# Altium PCB DIOT_PSU_integrated.PcbDoc (part 3 of 3)
Units mm, origin at the board's own origin, x right, y up, seen from the top; angles counter-clockwise.
Board outline 219.8 x 100 mm, 2 copper layers (Top Layer, Bottom Layer), stack 1.69 mm thick; 166 components, 95 nets, 513 pads, 1167 vias.
Unrouted connection lines stored in the file: 2.
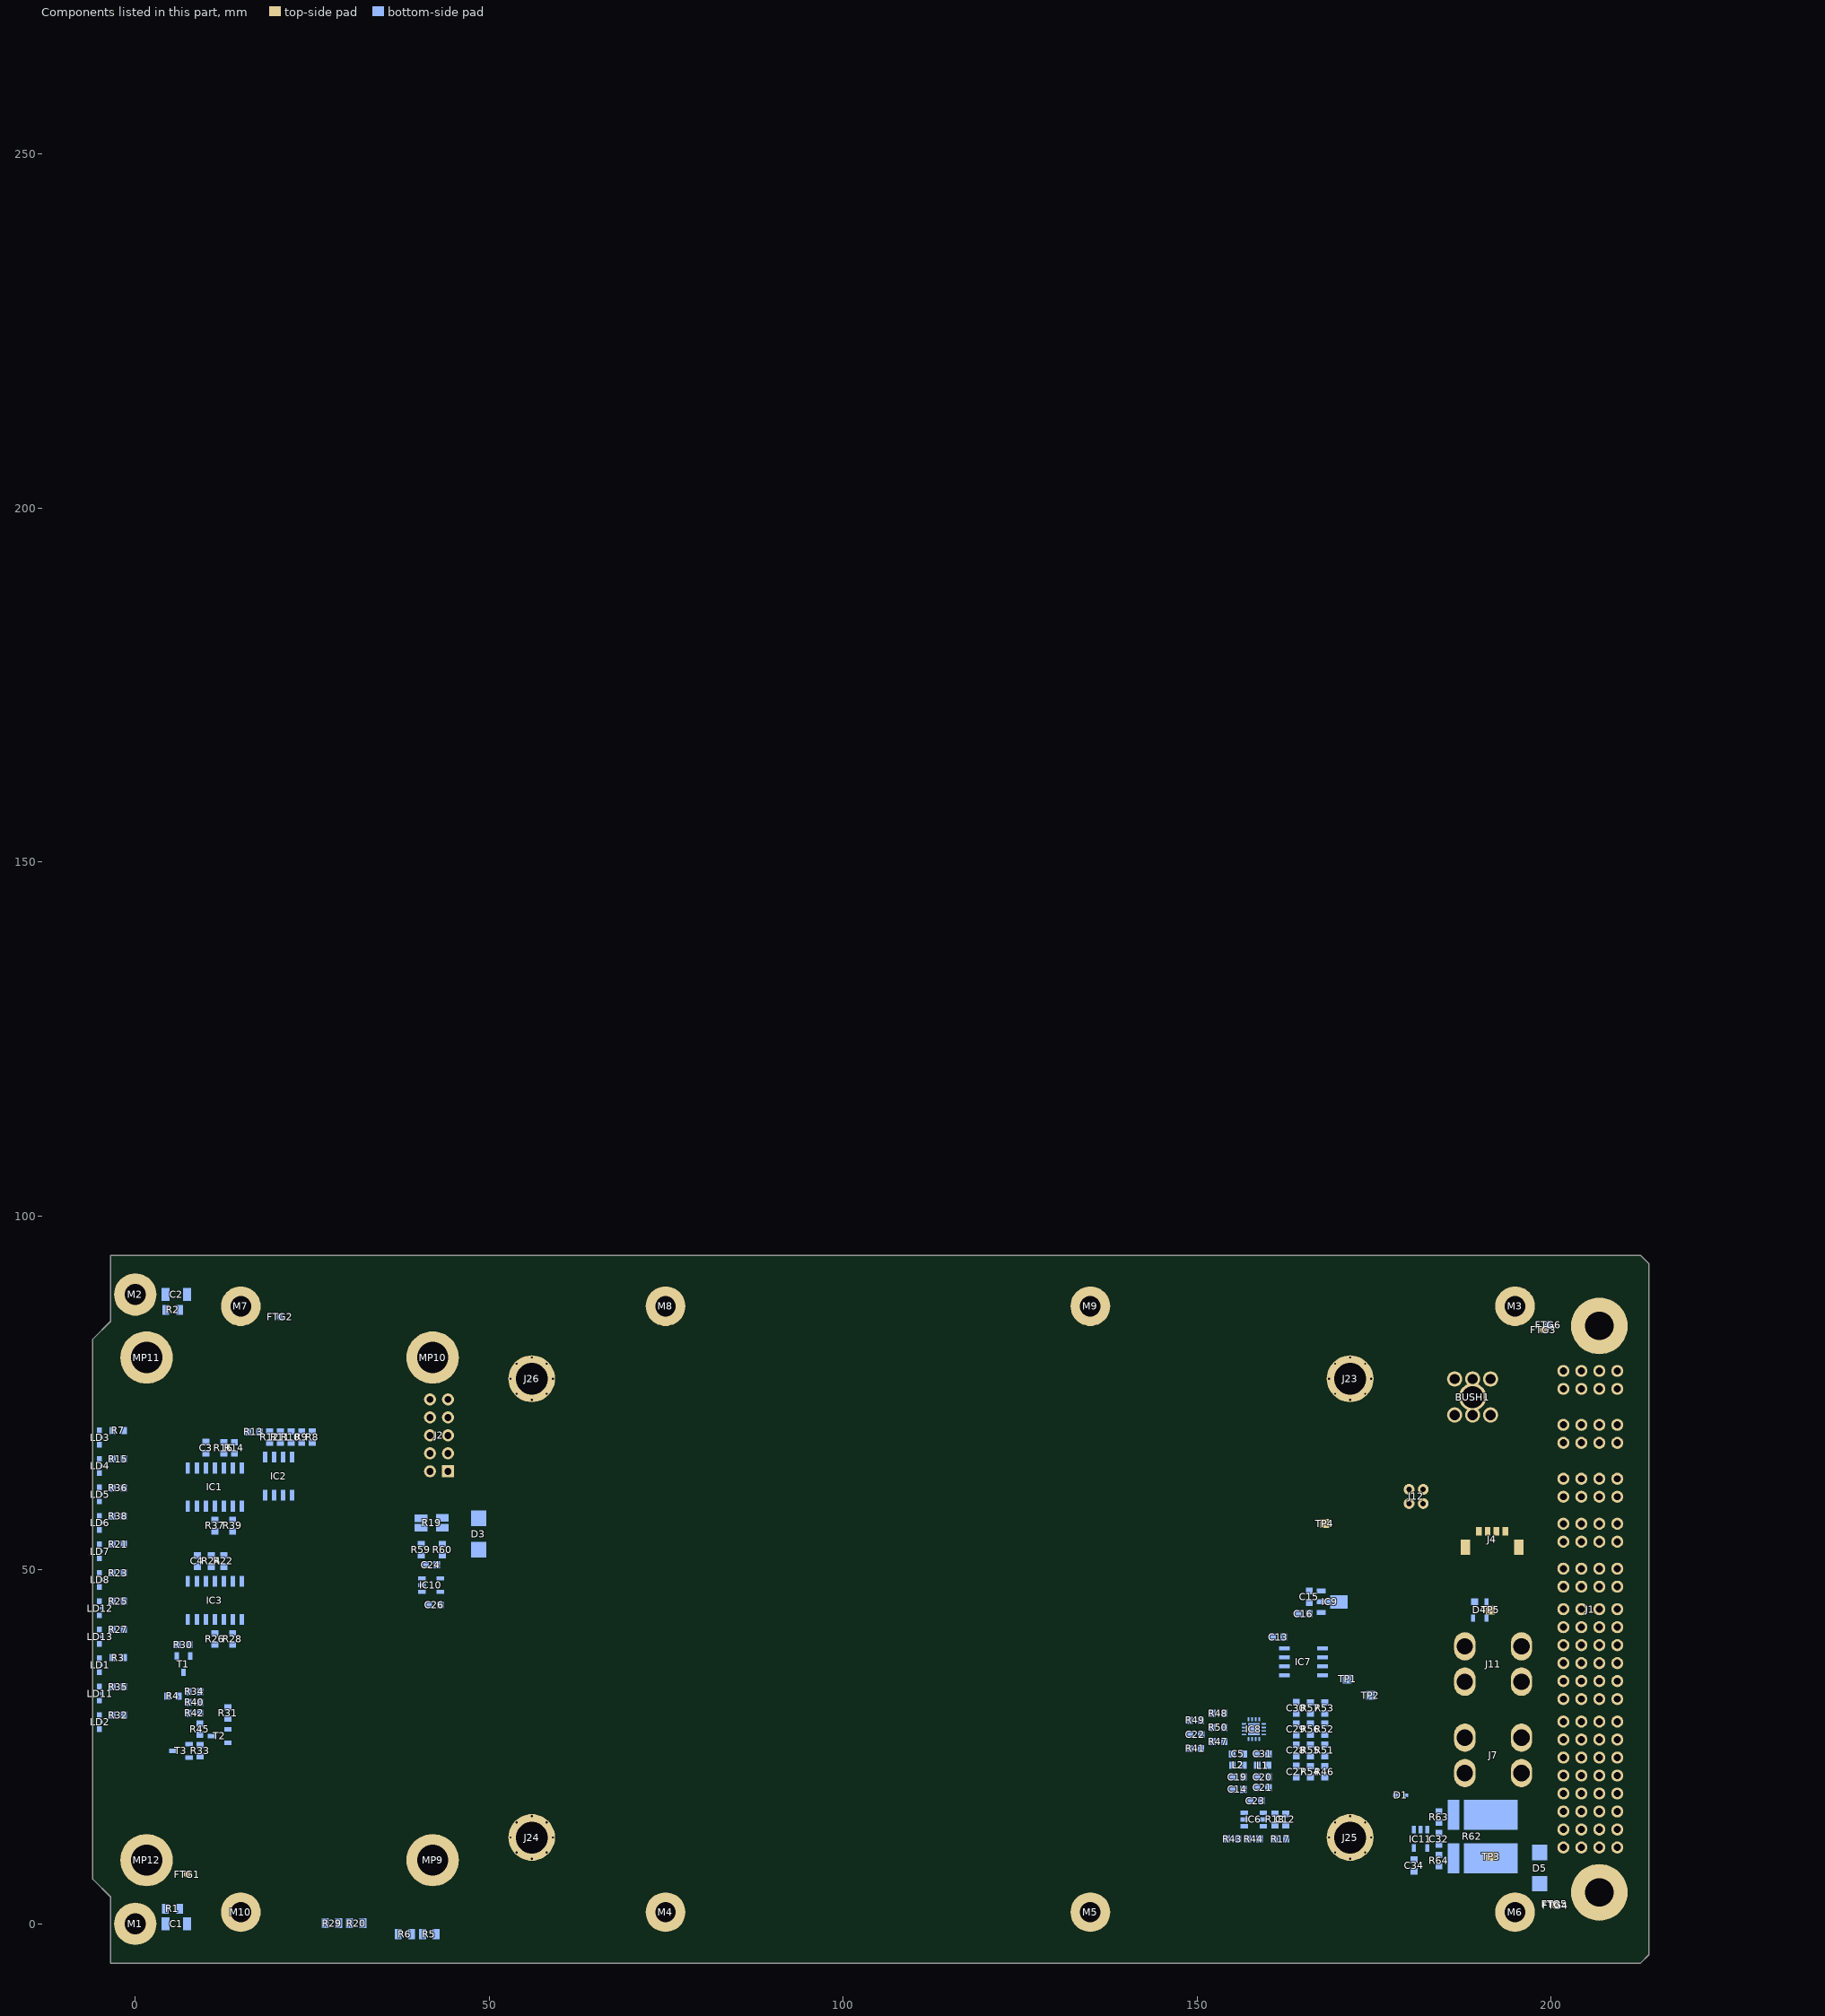
[diagram p3: the components of this part, seen from the top]

## Silkscreen, mask and mechanical layers (free items; w line width, h text height) (continued)
Drill Drawing:
  circle w0.254: c0.486,137.91 r0.508
  circle w0.254: c0.486,137.91 r0.847
  circle w0.254: c0.486,134.1 r0.847
  lines w0.254: -0.361,110.393 -0.361,110.817 0.063,111.24 -0.361,111.663 -0.361,112.087 0.063,112.087 0.486,111.663 0.909,112.087 1.333,112.087 1.333,111.663 0.909,111.24 1.333,110.817 1.333,110.393 0.909,110.393 0.486,110.817 0.063,110.393 -0.361,110.393 ; -0.361,114.627 0.063,114.627 0.486,114.203 0.909,114.627 1.333,114.627 0.909,115.05 1.333,115.473 0.909,115.473 0.486,115.897 0.063,115.473 -0.361,115.473 0.063,115.05 -0.361,114.627 ; -0.361,118.013 0.486,118.437 1.333,118.013 0.909,118.86 1.333,119.707 0.486,119.283 -0.361,119.707 0.063,118.86 -0.361,118.013 ; -0.361,123.517 1.333,123.517 0.486,121.823 -0.361,123.517 ; -0.361,126.057 0.063,126.057 0.063,125.633 0.909,125.633 0.909,126.057 1.333,126.057 1.333,126.903 0.909,126.903 0.909,127.327 0.063,127.327 0.063,126.903 -0.361,126.903 -0.361,126.057 ; -0.361,129.867 0.063,129.867 0.486,129.443 0.909,129.867 1.333,129.867 0.909,130.29 1.333,130.713 0.909,130.713 0.486,131.137 0.063,130.713 -0.361,130.713 0.063,130.29 -0.361,129.867 ; -0.361,142.567 1.333,142.567 0.486,140.873 -0.361,142.567 ; -0.361,144.683 1.333,144.683 1.333,146.377 -0.361,146.377 -0.361,144.683 ; -0.361,149.34 0.486,148.493 1.333,149.34 0.486,150.187 -0.361,149.34 ; -0.022,114.796 0.232,114.796 0.486,114.542 0.74,114.796 0.994,114.796 0.74,115.05 0.994,115.304 0.74,115.304 0.486,115.558 0.232,115.304 -0.022,115.304 0.232,115.05 -0.022,114.796 ; -0.022,123.178 0.994,123.178 0.486,122.162 -0.022,123.178
  lines w0.381: -1.88,109.25 72.288,109.25 ; -1.88,151.16 72.288,151.16 ; 10.886,105.44 10.886,154.97 ; 24.614,105.44 24.614,154.97 ; 48.587,105.44 48.587,154.97 ; 58.669,105.44 58.669,154.97 ; -1.88,105.44 72.288,105.44 72.288,154.97 -1.88,154.97 -1.88,105.44
  text "Symbol" at 0.406,152.303 h1.83
  text "Count" at 12.029,152.303 h1.83
  text "Hole Size" at 25.757,152.303 h1.83
  text "Plated" at 49.73,152.303 h1.83
  text "Via/Pad" at 59.812,152.303 h1.83
  text "1199" at 12.029,148.493 h1.52
  text "0,30mm (11,81mil)" at 25.757,148.493 h1.52
  text "PTH" at 49.73,148.493 h1.52
  text "(Mixed)" at 59.812,148.493 h1.52
  text "4" at 12.029,144.683 h1.52
  text "0,76mm (30,00mil)" at 25.757,144.683 h1.52
  text "PTH" at 49.73,144.683 h1.52
  text "Pad" at 59.812,144.683 h1.52
  text "106" at 12.029,140.873 h1.52
  text "1,00mm (39,37mil)" at 25.757,140.873 h1.52
  text "PTH" at 49.73,140.873 h1.52
  text "Pad" at 59.812,140.873 h1.52
  text "6" at 12.029,137.063 h1.52
  text "1,45mm (57,09mil)" at 25.757,137.063 h1.52
  text "PTH" at 49.73,137.063 h1.52
  text "Pad" at 59.812,137.063 h1.52
  text "8" at 12.029,133.253 h1.52
  text "2,30mm (90,55mil)" at 25.757,133.253 h1.52
  text "PTH" at 49.73,133.253 h1.52
  text "Pad" at 59.812,133.253 h1.52
  text "8" at 12.029,129.443 h1.52
  text "2,90mm (114,17mil)" at 25.757,129.443 h1.52
  text "PTH" at 49.73,129.443 h1.52
  text "Pad" at 59.812,129.443 h1.52
  text "2" at 12.029,125.633 h1.52
  text "3,00mm (118,11mil)" at 25.757,125.633 h1.52
  text "PTH" at 49.73,125.633 h1.52
  text "Pad" at 59.812,125.633 h1.52
  text "1" at 12.029,121.823 h1.52
  text "3,10mm (122,05mil)" at 25.757,121.823 h1.52
  text "PTH" at 49.73,121.823 h1.52
  text "Pad" at 59.812,121.823 h1.52
  text "2" at 12.029,118.013 h1.52
  text "4,00mm (157,48mil)" at 25.757,118.013 h1.52
  text "PTH" at 49.73,118.013 h1.52
  text "Pad" at 59.812,118.013 h1.52
  text "4" at 12.029,114.203 h1.52
  text "4,40mm (173,23mil)" at 25.757,114.203 h1.52
  text "PTH" at 49.73,114.203 h1.52
  text "Pad" at 59.812,114.203 h1.52
  text "4" at 12.029,110.393 h1.52
  text "4,50mm (177,17mil)" at 25.757,110.393 h1.52
  text "PTH" at 49.73,110.393 h1.52
  text "Pad" at 59.812,110.393 h1.52
  text "1344 Total" at 12.029,106.583 h1.52
  text "General tolerances +/-0.05mm unless otherwise stated" at -2.006,101.955 h1.5

## Dimensions
213.8,94.45 to 213.8,-5.55 on Board information
-3.57,94.45 to 213.8,94.45 on Board information

## Text inside footprints (layer, text, board x,y; h text height)
BUSH1: Drill Drawing "+0.075 -0.025" at 183.3,72.8 h1; Drill Drawing "diam. 1.45mm" at 183.85,75.25 h1; Drill Drawing "PRESS-FIT TECH." at 183.1,78.725 h1
J1: Notvisible "PCB" at 213.74,46.09 h1.2 r90; Bottom Overlay "P1" at 200.2,76.4 h1.2; Bottom Overlay "P2" at 200.2,68.775 h1.2; Bottom Overlay "P3" at 200.134,60.931 h1.2; Bottom Overlay "P4" at 200.125,54.658 h1.2; Bottom Overlay "P5" at 200.134,48.231 h1.2; Bottom Overlay "P6" at 200.025,26.65 h1.2; Bottom Overlay "P7" at 200.05,21.6 h1.2; Bottom Overlay "P8" at 200.048,16.471 h1.2; Bottom Overlay "P9" at 199.895,11.391 h1.2; Bottom Overlay "D1" at 200.156,43.934 h1.2; Bottom Overlay "D2" at 200.15,41.309 h1.2; Bottom Overlay "D3" at 200.15,38.7 h1.2; Bottom Overlay "D4" at 200.15,36.2 h1.2; Bottom Overlay "D5" at 200.075,33.733 h1.2; Bottom Overlay "D6" at 200.05,31.1 h1.2; Mechanical 14 "D6" at 198.24,32.29 h1.2 r180; Mechanical 14 "D5" at 198.24,34.93 h1.2 r180; Mechanical 14 "D4" at 198.24,37.37 h1.2 r180; Mechanical 14 "D3" at 198.24,39.91 h1.2 r180; Mechanical 14 "D2" at 198.24,42.45 h1.2 r180; Mechanical 14 "D1" at 198.24,44.99 h1.2 r180; Mechanical 14 "P9" at 198.24,12.63 h1.2 r180; Mechanical 14 "P8" at 198.24,17.71 h1.2 r180; Mechanical 14 "P7" at 198.24,22.79 h1.2 r180; Mechanical 14 "P6" at 198.24,27.87 h1.2 r180; Mechanical 14 "P5" at 198.24,49.47 h1.2 r180; Mechanical 14 "P4" at 198.24,55.82 h1.2 r180; Mechanical 14 "P3" at 198.24,62.17 h1.2 r180; Mechanical 14 "P2" at 198.24,69.79 h1.2 r180; Mechanical 14 "P1" at 198.24,77.49 h1.2 r180
J2: Top Overlay "1" at 44.668,61.673 h1.2 r90; Mechanical 14 "1" at 44.668,61.673 h1.2 r90
OHL1: Bottom Overlay "Licensed under CERN OHL-W v2+" at 139.87,13.9 h1.2; Bottom Overlay "https://ohwr.org/project/DIOT_PSU_integrated/wikis" at 139.87,8.7 h1.2; Bottom Overlay "http://ohwr.org/CERNOHL" at 139.87,11.3 h1.2